# Altium PCB K60P144.PcbDoc (part 2 of 2)
Units mil, origin at the board's own origin, x right, y up, seen from the top; angles counter-clockwise.
Board outline 1850 x 1850 mil, 2 copper layers (Top Layer, Bottom Layer); 44 components, 132 nets, 360 pads, 33 vias.
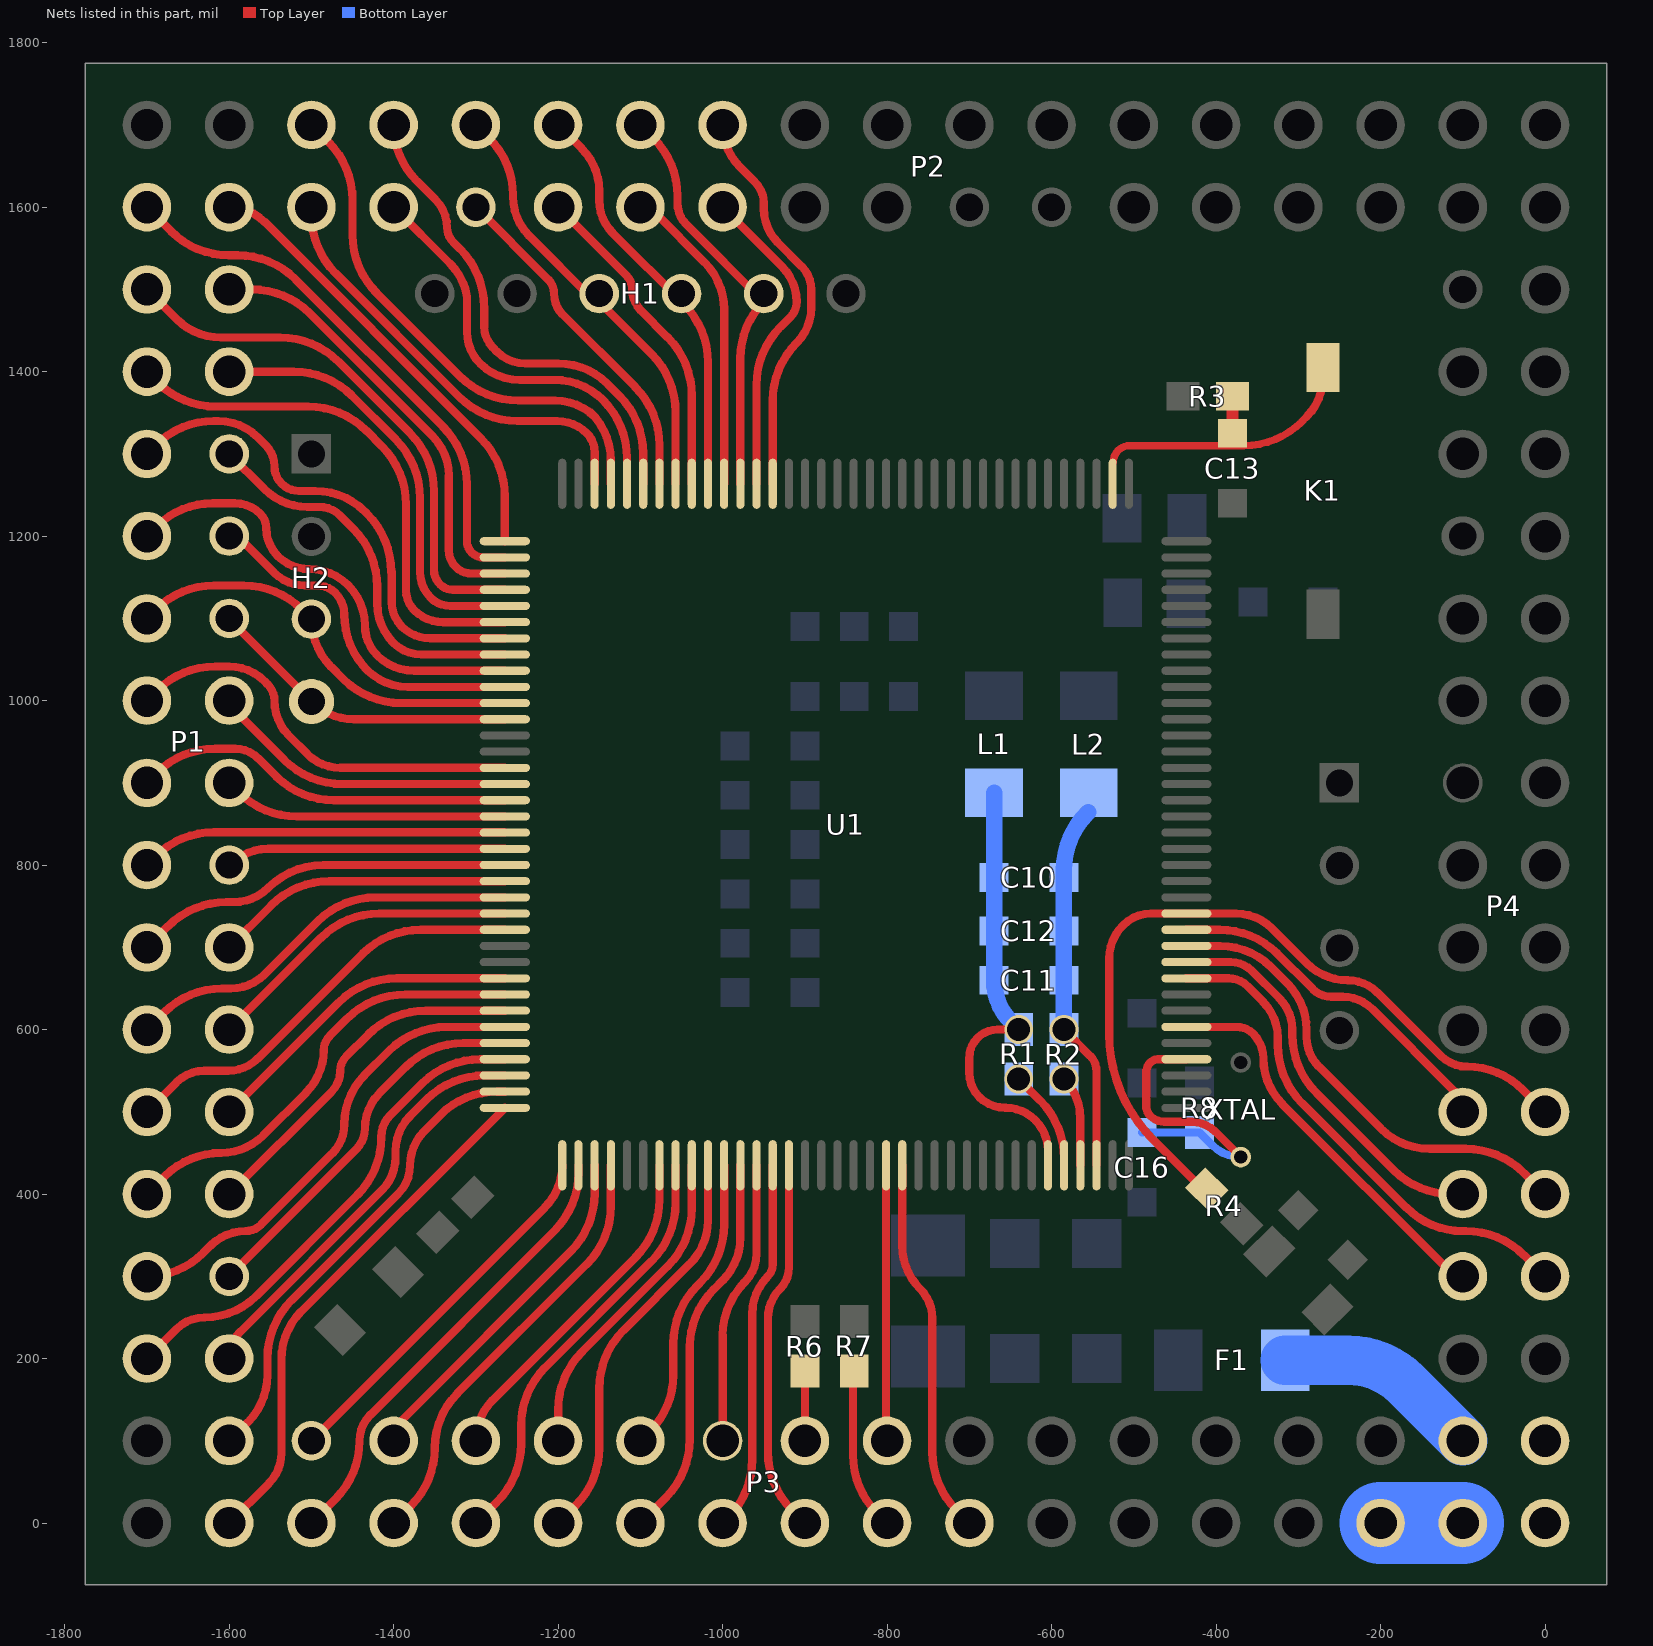
[diagram p2: the nets of this part, all layers, seen from the top]

## Via types
v1: diameter 40, hole 24, Top Layer to Bottom Layer, 15 vias
v2: diameter 50, hole 28, Top Layer to Bottom Layer, 6 vias
v3: diameter 35, hole 28, Top Layer to Bottom Layer, 5 vias
v4: diameter 40, hole 28, Top Layer to Bottom Layer, 4 vias
v5: diameter 30, hole 24, Top Layer to Bottom Layer, 2 vias
v6: diameter 35, hole 24, Top Layer to Bottom Layer, 1 vias

## Nets (pads, with @x,y where several pads share a name; then routed paths per layer and width w, separated by ;. In a path a pad name is that pad's centre, name@x,y a point inside that pad or via, vN(x,y) a via of type N, cw(c..) or ccw(c..) an arc to the next point about the centre after c; other vN are vias at no path point) (continued)
PTB16: P2.12 U1.95 | length 484.6
  Top Layer w10: P2.12@-1000,1700 ccw(c-927.57,1700) -978.79,1648.79 -960.61,1630.61 cw(c-986.21,1605) -950,1605 -950,1598.11 ccw(c-891.89,1598.11) -932.98,1557.02 -903.88,1527.92 cw(c-932.19,1499.61) -892.15,1499.61 -892.15,1478.09 cw(c-953.09,1478.09) -910,1435 ccw(c-839.76,1364.76) -939.1,1364.76 U1.95@-939.1,1263.74
PTB17: P2.11 U1.96 | length 385.7
  Top Layer w10: P2.11@-1000,1600 -927.68,1527.68 cw(c-970.36,1485) -910,1485 cw(c-936.34,1485) -917.72,1466.37 -929.49,1454.6 ccw(c-858.78,1383.89) -958.78,1383.89 U1.96@-958.78,1263.74
PTB18: H1.5 P2.10 U1.97 | length 500.1
  Top Layer w10: P2.10@-1100,1700 -1084.29,1684.29 cw(c-1155,1613.58) -1055,1613.58 -1055,1605 ccw(c-1018.79,1605) -1044.39,1579.39 -950,1485 ccw(c-881.28,1416.28) -978.47,1416.28 U1.97@-978.47,1263.74
PTB19: P2.9 U1.98 | length 399.2
  Top Layer w10: P2.9@-1092.93,1582.93 cw(c-1075.86,1600) P2.9@-1100,1600 cw(c-1100,1573.54) -1081.29,1592.25 -1022.02,1532.98 cw(c-1079.65,1475.35) -998.15,1475.35 U1.98@-998.15,1263.74
PTB20: H1.4 P2.8 U1.99 | length 501.9
  Top Layer w10: P2.8@-1200,1700 -1171.21,1671.21 cw(c-1222.43,1620) -1150,1620 -1150,1608.11 ccw(c-1094.22,1608.11) -1133.66,1568.66 -1047.12,1482.12 cw(c-1117.84,1411.41) -1017.84,1411.41 U1.99@-1017.84,1263.74
PTB21: P2.7 U1.100 | length 396.7
  Top Layer w10: P2.7@-1200,1600 -1117.07,1517.07 cw(c-1134.14,1500) -1110,1500 ccw(c-1073.79,1500) -1099.39,1474.39 -1066.81,1441.81 cw(c-1137.52,1371.1) -1037.52,1371.1 U1.100@-1037.52,1263.74
PTB22: H1.3 P2.6 U1.101 | length 527.8
  Top Layer w10: P2.6@-1300,1700 -1283.28,1683.28 cw(c-1351.57,1615) -1255,1615 -1255,1613.28 ccw(c-1186.72,1613.28) -1235,1565 -1158.54,1488.54 ccw(c-1150,1497.07) -1150,1485 -1086.49,1421.49 cw(c-1157.21,1350.78) -1057.21,1350.78 U1.101@-1057.21,1263.74
PTB23: P2.5 U1.102 | length 421.8
  Top Layer w10: P2.5@-1300,1600 -1212.07,1512.07 cw(c-1229.14,1495) -1205,1495 ccw(c-1168.79,1495) -1194.39,1469.39 -1106.18,1381.18 cw(c-1176.89,1310.47) -1076.89,1310.47 U1.102@-1076.89,1263.74
PTC0: P2.4 U1.103 | length 594.6
  Top Layer w10: P2.4@-1400,1700 ccw(c-1303.43,1700) -1371.72,1631.72 -1349.14,1609.14 cw(c-1383.29,1575) -1335,1575 ccw(c-1310.86,1575) -1327.93,1557.93 -1319.29,1549.29 cw(c-1390,1478.58) -1290,1478.58 -1290,1455 ccw(c-1253.79,1455) -1279.39,1429.39 -1274.14,1424.14 ccw(c-1240,1458.28) -1240,1410 -1199.9,1410 cw(c-1199.9,1325.1) -1139.87,1385.13 -1125.86,1371.13 cw(c-1196.58,1300.42) -1096.58,1300.42 U1.103@-1096.58,1263.74
PTC1: P2.3 U1.104 | length 499.3
  Top Layer w10: P2.3@-1400,1600 -1331.21,1531.21 cw(c-1382.43,1480) -1310.78,1490.63 -1310.78,1448.11 ccw(c-1256.9,1448.11) -1295,1410 ccw(c-1246.72,1458.28) -1246.72,1390 -1204.58,1390 cw(c-1204.58,1306.52) -1145.55,1365.55 cw(c-1216.26,1294.84) -1116.26,1294.84 U1.104@-1116.26,1263.74
PTC2: P2.2 U1.105 | length 641.9
  Top Layer w10: P2.2@-1500,1700 -1479.29,1679.29 cw(c-1550,1608.58) -1450,1608.58 -1450,1566.42 ccw(c-1350,1566.42) -1420.71,1495.71 -1319.29,1394.29 ccw(c-1248.58,1465) -1248.58,1365 -1203.99,1365 cw(c-1203.99,1296.05) -1155.23,1344.8 ; -1160,1350 cw(c-1218.07,1291.93) -1155.23,1344.8 ; U1.105@-1135.95,1263.74 -1135.95,1291.93 ccw(c-1218.07,1291.93) -1155.23,1344.8
PTC3: P2.1 U1.106 | length 531.7
  Top Layer w10: P2.1@-1500,1600 -1500,1590.46 ccw(c-1400,1590.46) -1470.71,1519.75 -1320.25,1369.29 ccw(c-1249.54,1440) -1249.54,1340 -1201.21,1340 cw(c-1201.21,1288.79) -1165,1325 cw(c-1187.62,1302.38) -1155.63,1302.38 U1.106@-1155.63,1263.74
PTC4: P1.29 U1.109 | length 552.7
  Top Layer w10: P1.29@-1600,1600 cw(c-1600,1539.65) -1557.32,1582.32 -1294.17,1319.17 cw(c-1364.88,1248.46) -1264.88,1248.46 U1.109@-1264.88,1193.86
PTC5: P1.30 U1.110 | length 666.1
  Top Layer w10: P1.30@-1700,1600 -1670.82,1570.82 ccw(c-1600.11,1641.53) -1600.11,1541.53 -1589.87,1541.53 cw(c-1589.87,1441.53) -1519.16,1512.24 -1340.22,1333.31 cw(c-1410.93,1262.6) -1310.93,1262.6 -1310.93,1194.17 ccw(c-1290.93,1194.17) -1290.93,1174.17 U1.110@-1264.88,1174.17
PTC6: P1.27 U1.111 | length 545.3
  Top Layer w10: P1.27@-1600,1500 -1572.38,1500 cw(c-1572.38,1400) -1501.67,1470.71 -1353.25,1322.29 cw(c-1402.37,1273.17) -1332.9,1273.17 -1332.9,1182.49 ccw(c-1304.9,1182.49) -1304.9,1154.49 U1.111@-1264.88,1154.49
PTC7: P1.28 U1.112 | length 658.8
  Top Layer w10: P1.28@-1700,1500 -1663.82,1463.82 ccw(c-1610,1517.64) -1610,1441.53 -1537.95,1441.53 cw(c-1537.95,1341.53) -1467.24,1412.24 -1380.29,1325.29 cw(c-1451,1254.58) -1351,1254.58 -1351,1158.96 ccw(c-1326.04,1158.96) -1343.69,1141.31 ccw(c-1327.98,1157.02) -1327.98,1134.8 U1.112@-1264.88,1134.8
PTC8: P1.25 U1.113 | length 529
  Top Layer w10: P1.25@-1600,1400 -1521.42,1400 cw(c-1521.42,1300) -1450.71,1370.71 -1397.29,1317.29 cw(c-1468,1246.58) -1368,1246.58 -1368,1156.39 ccw(c-1323.62,1156.39) -1355,1125 ccw(c-1331.14,1148.86) -1331.14,1115.12 U1.113@-1264.88,1115.12
PTC9: P1.26 U1.114 | length 638.5
  Top Layer w10: P1.26@-1700,1400 -1686.86,1386.86 ccw(c-1616.15,1457.57) -1616.15,1357.57 -1503.99,1357.57 cw(c-1503.99,1257.57) -1433.28,1328.28 -1414.29,1309.29 cw(c-1485,1238.58) -1385,1238.58 -1385,1134.14 ccw(c-1350.86,1134.14) -1375,1110 ccw(c-1339.83,1145.17) -1339.83,1095.43 U1.114@-1264.88,1095.43
PTC10: P1.24 U1.115 | length 628.8
  Top Layer w10: P1.24@-1686.29,1286.29 P1.24@-1700,1300 -1689.29,1310.71 cw(c-1618.58,1240) -1618.58,1340 -1613.28,1340 cw(c-1613.28,1271.72) -1565,1320 -1555.61,1310.61 cw(c-1581.21,1285) -1545,1285 ccw(c-1514.8,1285) -1536.15,1263.65 ccw(c-1515.28,1284.52) -1515.28,1255 -1495.36,1255 cw(c-1495.36,1169.65) -1435,1230 -1432.29,1227.29 cw(c-1503,1156.58) -1403,1156.58 ; -1402.43,1156.58 -1402.43,1120.02 ccw(c-1359.98,1120.02) -1390,1090 ccw(c-1355.59,1124.41) -1355.59,1075.75 U1.115@-1264.88,1075.75
PTC11: P1.23 U1.116 | length 474.9
  Top Layer w10: P1.23@-1600,1300 -1557.25,1257.25 ccw(c-1505,1309.5) -1505,1235.61 -1490.61,1235.61 cw(c-1490.61,1199.4) -1465,1225 -1449.29,1209.29 cw(c-1520,1138.58) -1420,1138.58 -1420,1118.28 ccw(c-1351.72,1118.28) -1400,1070 ccw(c-1366.35,1103.65) -1366.35,1056.06 U1.116@-1264.88,1056.06
PTC12: P1.22 U1.117 | length 560.6
  Top Layer w10: P1.22@-1700,1200 -1688.28,1211.72 cw(c-1620,1143.43) -1620,1240 -1593.28,1240 cw(c-1593.28,1195.86) -1562.07,1227.07 cw(c-1579.14,1210) -1555,1210 ccw(c-1506.72,1210) -1540.86,1175.86 -1540.71,1175.71 ccw(c-1502.78,1213.64) -1502.78,1160 cw(c-1502.78,1092.93) -1455.36,1140.36 cw(c-1504.5,1091.21) -1435,1091.21 ccw(c-1383.79,1091.21) -1420,1055 ccw(c-1375.04,1099.96) -1375.04,1036.38 U1.117@-1264.88,1036.38
PTC13: P1.21 U1.118 | length 429.9
  Top Layer w10: P1.21@-1600,1200 cw(c-1600,1175.12) -1582.4,1192.71 -1545,1155.31 ccw(c-1508.05,1192.26) -1508.05,1140 -1492.78,1140 cw(c-1492.78,1109.14) -1470.96,1130.96 cw(c-1497.43,1104.5) -1460,1104.5 ccw(c-1364.65,1104.5) -1432.07,1037.07 ccw(c-1382.87,1086.27) -1382.87,1016.69 U1.118@-1264.88,1016.69
PTC14: H2.3 P1.20 U1.119 | length 514.5
  Top Layer w10: P1.20@-1700,1100 -1689.29,1110.71 cw(c-1618.58,1040) -1618.58,1140 -1582.21,1140 cw(c-1582.21,1040) -1511.5,1110.71 H2.3@-1500,1099.21 ccw(c-1417.41,1099.21) -1475.81,1040.81 -1461.3,1026.3 ccw(c-1390.59,1097.01) -1390.59,997.01 U1.119@-1264.88,997.01
PTC15: H2.4 P1.19 U1.120 | length 384.7
  Top Layer w10: P1.19@-1600,1100 ccw(c-1597.15,1100) -1599.16,1097.98 H2.4@-1500,998.82 ccw(c-1448.11,1050.71) -1448.11,977.32 U1.120@-1264.88,977.32 ; H2.4@-1490,1003.82 H2.4@-1489.04,1002.86
PTC16: P1.18 U1.123 | length 511.7
  Top Layer w10: P1.18@-1700,1000 -1687.76,1012.24 cw(c-1617.05,941.53) -1617.05,1041.53 -1600,1041.53 cw(c-1600,980.93) -1557.15,1023.78 -1553.22,1019.85 cw(c-1573.07,1000) -1545,1000 ccw(c-1484.65,1000) -1527.32,957.32 -1505,935 ccw(c-1464.61,975.4) -1464.61,918.27 U1.123@-1264.88,918.27
PTC17: P1.17 U1.124 | length 375.2
  Top Layer w10: P1.17@-1600,1000 ccw(c-1587.93,1000) -1596.46,991.46 -1532.87,927.87 ccw(c-1462.16,998.58) -1462.16,898.58 U1.124@-1264.88,898.58
PTC18: P1.16 U1.125 | length 468
  Top Layer w10: P1.16@-1700,900 -1687.76,912.24 cw(c-1617.05,841.53) -1617.05,941.53 -1592.83,941.53 cw(c-1592.83,902.17) -1565,930 -1543.19,908.19 ccw(c-1472.48,978.9) -1472.48,878.9 U1.125@-1264.88,878.9
PTC19: P1.15 U1.126 | length 347.7
  Top Layer w10: P1.15@-1600,900 -1588.5,888.5 ccw(c-1517.79,959.21) -1517.79,859.21 U1.126@-1264.88,859.21
PTD0: P1.14 U1.127 | length 447.5
  Top Layer w10: P1.14@-1700,800 -1689.29,810.71 cw(c-1618.58,740) -1618.58,840 -1266.02,840 cw(c-1266.02,838.39) U1.127@-1264.88,839.53
PTD1: P1.13 U1.128 | length 340.4
  Top Layer w10: P1.13@-1600,800 cw(c-1552.1,752.1) -1552.1,819.84 U1.128@-1264.88,819.84
PTD2: P1.12 U1.129 | length 465.7
  Top Layer w10: P1.12@-1700,700 -1674.29,725.71 cw(c-1603.58,655) -1603.58,755 -1594.48,755 ccw(c-1594.48,814.48) -1552.42,772.42 cw(c-1485.46,705.46) -1485.46,800.16 U1.129@-1264.88,800.16
PTD3: P1.11 U1.130 | length 364.1
  Top Layer w10: P1.11@-1600,700 -1548.82,751.18 cw(c-1478.11,680.47) -1478.11,780.47 U1.130@-1264.88,780.47
PTD4: P1.10 U1.131 | length 490.6
  Top Layer w10: P1.10@-1700,600 -1679.29,620.71 cw(c-1608.58,550) -1608.58,650 -1598.11,650 ccw(c-1598.11,708.11) -1557.02,667.02 -1492.54,731.5 cw(c-1421.83,660.79) -1421.83,760.79 U1.131@-1264.88,760.79
PTD5: P1.9 U1.132 | length 389.3
  Top Layer w10: P1.9@-1600,600 -1488.19,711.81 cw(c-1417.48,641.1) -1417.48,741.1 U1.132@-1264.88,741.1
PTD6: P1.8 U1.133 | length 518.3
  Top Layer w10: P1.8@-1700,500 -1664.14,535.86 cw(c-1630,501.72) -1630,550 -1601.21,550 ccw(c-1601.21,601.21) -1565.01,564.99 -1437.87,692.13 cw(c-1367.16,621.42) -1367.16,721.42 U1.133@-1264.88,721.42
PTD7: P1.7 U1.136 | length 398.1
  Top Layer w10: P1.7@-1600,500 -1466.93,633.07 cw(c-1396.22,562.36) -1396.22,662.36 U1.136@-1264.88,662.36
PTD8: P1.6 U1.137 | length 543.3
  Top Layer w10: P1.6@-1700,400 -1678.28,421.72 cw(c-1610,353.43) -1610,450 ccw(c-1610,522.43) -1558.79,471.21 -1506.21,523.79 ccw(c-1557.43,575) -1485,575 cw(c-1460.86,575) -1477.93,592.07 -1456.61,613.39 cw(c-1385.9,542.68) -1385.9,642.68 U1.137@-1264.88,642.68
PTD9: P1.5 U1.138 | length 435.2
  Top Layer w10: P1.5@-1600,400 -1475.61,524.39 ccw(c-1501.21,550) -1465,550 cw(c-1440.86,550) -1457.93,567.07 -1431.3,593.7 cw(c-1360.59,522.99) -1360.59,622.99 U1.138@-1264.88,622.99
PTD10: P1.4 U1.139 | length 575.5
  Top Layer w10: P1.4@-1700,300 ccw(c-1700,396.57) -1631.72,328.28 -1622.68,337.32 cw(c-1580,294.64) -1580,355 ccw(c-1580,381.46) -1561.29,362.75 -1474.82,449.22 ccw(c-1510.6,485) -1460,485 cw(c-1375.5,485) -1435.25,544.75 -1405.98,574.02 cw(c-1335.27,503.31) -1335.27,603.31 U1.139@-1264.88,603.31
PTD11: P1.3 U1.140 | length 467.6
  Top Layer w10: P1.3@-1600,300 -1445.61,454.39 ccw(c-1471.21,480) -1435,480 cw(c-1374.65,480) -1417.32,522.68 -1385.67,554.33 cw(c-1314.96,483.62) -1314.96,583.62 U1.140@-1264.88,583.62
PTD12: P1.2 U1.141 | length 603.1
  Top Layer w10: P1.2@-1700,200 -1664.14,235.86 cw(c-1630,201.72) -1630,250 ccw(c-1630,339.13) -1566.98,276.1 -1444.29,398.79 ccw(c-1515,469.51) -1415,469.51 cw(c-1377.59,469.51) -1404.04,495.96 -1365.35,534.65 cw(c-1294.64,463.94) -1294.64,563.94 U1.141@-1264.88,563.94
PTD13: P1.1 U1.142 | length 510.3
  Top Layer w10: P1.1@-1600,200 cw(c-1554.03,200) -1586.54,232.51 -1414.35,404.7 ccw(c-1454.65,445) -1397.65,445 -1397.65,452.39 cw(c-1337.39,452.39) -1380,495 -1360.04,514.96 cw(c-1289.33,444.25) -1289.33,544.25 U1.142@-1264.88,544.25
PTD14: P3.4 U1.143 | length 576.1
  Top Layer w10: P3.4@-1600,100 -1577.24,122.77 ccw(c-1634.47,180) -1553.53,180 -1553.53,200.05 cw(c-1453.53,200.05) -1524.24,270.76 -1394.14,400.86 ccw(c-1428.28,435) -1380,435 cw(c-1321.54,435) -1362.88,476.34 -1336.88,502.33 cw(c-1274.01,424.57) -1274.01,524.57 U1.143@-1264.88,524.57
PTD15: P3.3 U1.144 | length 637.9
  Top Layer w10: P3.3@-1600,0 -1551.75,48.25 ccw(c-1588.5,85) -1536.53,85 -1536.53,198.89 cw(c-1453.6,198.89) -1512.24,257.53 U1.144@-1264.88,504.88
PTE0: P3.6 U1.1 | length 458.2
  Top Layer w10: P3.6@-1500,100 -1216.21,383.79 ccw(c-1267.43,435) U1.1@-1195,435
PTE1: P3.5 U1.2 | length 559
  Top Layer w10: P3.5@-1500,0 -1470.82,29.18 ccw(c-1541.53,99.89) -1441.53,99.89 cw(c-1396.68,99.89) -1428.39,131.61 -1204.6,355.4 ccw(c-1275.32,426.11) -1175.32,426.11 U1.2@-1175.32,435
PTE2: P3.8 U1.3 | length 430.4
  Top Layer w10: P3.8@-1400,100 cw(c-1363.79,100) -1389.39,125.61 -1184.92,330.08 ccw(c-1255.63,400.79) -1155.63,400.79 U1.3@-1155.63,435
PTE3: P3.7 U1.4 | length 531.8
  Top Layer w10: P3.7@-1400,0 -1379.29,20.71 ccw(c-1450,91.42) -1350,91.42 cw(c-1256.86,91.42) -1322.72,157.28 -1165.23,314.77 ccw(c-1235.95,385.48) -1135.95,385.48 U1.4@-1135.95,435
PTE4: P3.10 U1.7 | length 420.1
  Top Layer w10: P3.10@-1300,100 cw(c-1229.89,100) -1279.46,149.58 -1106.18,322.86 ccw(c-1176.89,393.57) -1076.89,393.57 U1.7@-1076.89,435
PTE5: P3.9 U1.8 | length 522.7
  Top Layer w10: P3.9@-1300,0 -1274.29,25.71 ccw(c-1345,96.42) -1245,96.42 -1245,118.58 cw(c-1145,118.58) -1215.71,189.29 -1086.49,318.51 ccw(c-1157.21,389.22) -1057.21,389.22 U1.8@-1057.21,435
PTE6: P3.12 U1.9 | length 393.7
  Top Layer w10: P3.12@-1200,100 -1200,137.62 cw(c-1100,137.62) -1170.71,208.33 -1066.81,312.23 ccw(c-1137.52,382.94) -1037.52,382.94 U1.9@-1037.52,435
PTE7: P3.11 U1.10 | length 498.7
  Top Layer w10: P3.11@-1200,0 -1179.29,20.71 ccw(c-1250,91.42) -1150,91.42 -1150,163.58 cw(c-1050,163.58) -1120.71,234.29 -1039.6,315.4 ccw(c-1092.14,367.94) -1017.84,367.94 U1.10@-1017.84,435
PTE8: P3.14 U1.11 | length 364.4
  Top Layer w10: P3.14@-1100,100 -1088.28,111.72 ccw(c-1156.57,180) -1060,180 -1060,218.09 cw(c-960,218.09) -1030.71,288.8 -1027.44,292.07 ccw(c-1098.15,362.78) -998.15,362.78 U1.11@-998.15,435
PTE9: P3.13 U1.12 | length 473.6
  Top Layer w10: P3.13@-1100,0 -1069.29,30.71 ccw(c-1140,101.42) -1040,101.42 -1040,213.58 cw(c-940,213.58) -1010.71,284.29 -1000,295 ccw(c-1051.99,346.99) -978.47,346.99 U1.12@-978.47,435
PTE10: P3.16 U1.13 | length 346
  Top Layer w10: P3.16@-1000,100 -1000,227.92 cw(c-907.92,227.92) -973.03,293.03 ccw(c-1007.44,327.44) -958.78,327.44 U1.13@-958.78,435
PTE11: P3.15 U1.14 | length 452.3
  Top Layer w10: P3.15@-1000,0 -993.29,6.71 ccw(c-1064,77.42) -964,77.42 -964,254.13 cw(c-899.13,254.13) -945,300 ccw(c-959.26,314.26) -939.1,314.26 U1.14@-939.1,435
PTE12: P3.17 U1.15 | length 456.2
  Top Layer w10: U1.15@-919.41,435 -919.41,310.57 cw(c-955.57,310.57) -930,285 ccw(c-893.79,248.79) -945,248.79 -945,86.42 ccw(c-845,86.42) -915.71,15.71 P3.17@-900,0
PTE24: P4.7 U1.45 | length 613.9
  Top Layer w10: U1.45@-436.14,662.36 -384.67,662.36 cw(c-384.67,630.33) -362.02,652.98 -343.18,634.14 cw(c-387.33,590) -324.9,590 -324.9,581.32 ccw(c-224.9,581.32) -295.61,510.61 -168.28,383.28 ccw(c-100,451.57) -100,355 -96.42,355 cw(c-96.42,255) -25.71,325.71 P4.7@0,300
PTE25: P4.10 U1.46 | length 481.5
  Top Layer w10: U1.46@-436.14,682.05 -382.15,682.05 cw(c-382.15,645.59) -356.37,671.37 -323.13,638.13 cw(c-361.25,600) -307.33,600 -307.33,593.75 ccw(c-207.33,593.75) -278.04,523.04 -184.29,429.29 ccw(c-113.58,500) -113.58,400 P4.10@-100,400
PTE26: P4.9 U1.47 | length 580.6
  Top Layer w10: U1.47@-436.14,701.73 -395.09,701.73 cw(c-395.09,614.27) -333.24,676.11 -313.25,656.12 cw(c-369.37,600) -290,600 -290,591.21 ccw(c-238.79,591.21) -275.01,555.01 ; -275,555 -199.75,479.75 ccw(c-140,539.5) -140,455 -96.42,455 cw(c-96.42,355) -25.71,425.71 P4.9@0,400
PTE27: P4.12 U1.48 | length 427.2
  Top Layer w10: U1.48@-436.14,721.42 -395.92,721.42 cw(c-395.92,621.42) -325.21,692.13 -284.21,651.13 -282.33,649.25 ccw(c-260,671.59) -260,640 -246.21,640 cw(c-246.21,588.79) -210.01,625.01 ; -210,625 -110.61,525.61 cw(c-136.21,500) P4.12@-100,500
PTE28: P4.11 R4.1 U1.49 | length 971.9
  Top Layer w10: R4.1@-411.21,406.21 cw(c-411.21,418.73) -420.07,409.88 -477.19,467.01 cw(c-349.7,594.5) -530,594.5 -530,685.86 cw(c-471.72,685.86) -512.93,727.07 cw(c-479.05,693.2) -479.05,741.1 U1.49@-436.14,741.1 -375.77,741.1 cw(c-375.77,679.23) -332.02,722.98 -289.58,680.54 ccw(c-240,730.11) -240,660 cw(c-240,608.65) -203.69,644.96 -126.97,568.24 ccw(c-95,600.22) -95,555 cw(c-95,458.43) -26.72,526.72 P4.11@0,500
RESET_B: C13.2 K1.2 R3.1 U1.74 | length 367
  Top Layer w9: U1.74@-525,1290 cw(c-505,1290) -505,1310 -366.42,1310 ccw(c-366.42,1410) -295.71,1339.29 -290,1345
  Top Layer w10: -290,1345 ccw(c-338.28,1393.28) -270,1393.28 K1.2@-270,1405
  Top Layer w15: C13.2@-380,1325 R3.1@-380,1370
USB0_DM: P3.19 R7.1 | length 198.3
  Top Layer w10: R7.1@-840,185 ccw(c-836.31,181.31) -841.53,181.31 -841.53,82.95 ccw(c-741.53,82.95) -812.24,12.24 P3.19@-800,0
USB0_DP: P3.18 R6.1 | length 85
  Top Layer w10: P3.18@-900,100 R6.1@-900,185
VBAT: P4.8 U1.42 | length 483.6
  Top Layer w10: U1.42@-436.14,603.31 -375.06,603.31 cw(c-375.06,574.95) -355,595 -354.82,594.82 cw(c-384.63,565) -342.47,565 ccw(c-264.3,565) -319.57,509.73 -116.8,306.96 ccw(c-100,323.76) P4.8@-100,300
VCC3.3: F1.2 P3.31 P4.1 P4.2 P4.3 P4.4 | length 352.3
  Bottom Layer w60: F1.2@-316,198 -239.42,198 cw(c-239.42,98) -168.71,168.71 P4.4@-100,100
  Bottom Layer w100: P3.31@-200,0 P4.2@-100,0
VDDA: C10.2 C11.2 C12.2 L1.2 R1.1 U1.31 | length 562.4
  Top Layer w10: v3(-640,600) -665.86,600 ccw(c-665.86,565.86) -690,590 ccw(c-665.86,565.86) -700,565.86 -700,546.57 ccw(c-660,546.57) -688.28,518.28 ccw(c-656.21,550.36) -656.21,505 cw(c-656.21,453.79) -620,490 cw(c-657.54,452.46) -604.45,452.46 U1.31@-604.45,435
  Bottom Layer w20: L1.2@-670,887.89 C10.2@-670,785 C12.2@-670,720 C11.2@-670,660 ccw(c-597.57,660) -648.79,608.79 v3(-640,600)
VOUT33: P3.20 U1.21 | length 335.3
  Top Layer w10: U1.21@-801.3,435 -801.3,103.14 ccw(c-796.86,103.14) P3.20@-800,100
VREFH: R1.2 U1.32 | length 123.6
  Top Layer w10: v3(-640,540) -614.05,514.05 cw(c-684.76,443.34) -584.76,443.34 U1.32@-584.76,435
VREFL: R2.2 U1.33 | length 110.3
  Top Layer w10: v3(-585,540) cw(c-633.09,491.91) -565.08,491.91 U1.33@-565.08,435
VREGIN: P3.21 U1.22 | length 459.1
  Top Layer w10: U1.22@-781.61,435 -781.61,337.18 ccw(c-707.82,337.18) -760,285 cw(c-796.21,248.79) -745,248.79 -745,86.42 ccw(c-645,86.42) -715.71,15.71 P3.21@-700,0
VSSA: C10.1 C11.1 C12.1 L2.2 R2.1 U1.34 | length 453.4
  Top Layer w10: v3(-585,600) -553.17,568.17 cw(c-571.96,549.39) -545.39,549.39 U1.34@-545.39,435
  Bottom Layer w10: L2.2@-555.71,864.29 L2.2@-555,865
  Bottom Layer w20: v3(-585,600) C11.1@-585,660 C12.1@-585,720 C10.1@-585,785 -585,793.58 cw(c-485,793.58) L2.2@-555.71,864.29
XTAL: C16.2 R8.1 U1.40 XTAL.1 | length 370.8
  Top Layer w10: U1.40@-436.14,563.94 -470.5,563.94 ccw(c-470.5,550.5) -480,560 ccw(c-467.93,547.93) -485,547.93 -485,507.07 ccw(c-467.93,507.07) -480,495 ccw(c-462.82,512.19) -462.82,487.88 -430,487.88 cw(c-430,446.56) -400.78,475.78 XTAL.1@-370,445
  Bottom Layer w10: C16.2@-490,475 R8.1@-420,475 -404.14,459.14 ccw(c-370,493.28) XTAL.1@-370,445

## Polygon pours and split planes (outlines as drawn)
GND on Bottom Layer "Bottom Layer-No Net" (solid, remove dead copper, pour order 2): -1775,1775 75,1775 75,-75 -1775,-75
GND on Top Layer "Bottom Layer-No Net" (solid, remove dead copper, pour order 4): -1775,1775 75,1775 75,-75 -1775,-75

## Keep-outs
Keep-Out Layer:
  the board outline again, w10

## Other copper
Top Layer:
  region net GND: -1140,965.36 -1140,1035 -1210,1035 -1210,965.36
  region net GND: -1140.36,710.36 -1140.36,779.64 -1210,779.64 -1210,710.36
  region net GND: -960,480 -960,539.6 -1100,539.6 -1100,480
  region net GND: -740,495 -740,905 -850,905 -850,495
  region net GND: 40,1460.79 40,1740 -39.21,1740 -39.21,1460.79
  region net GND: -1660,-39.21 -1660,140 -1740,140 -1740,-39.21
  region net GND: -1560.79,1660 -1560.79,1739.21 -1740,1739.21 -1740,1660
  region net GND: -847.92,1147.92 -847.92,1205 -905,1205 -905,1147.92
  rectangle net GND: -265,565.18 -216.88,610
  rectangle net GND: -289.02,1071.22 -240,1149.6
Bottom Layer:
  rectangle net GND: -600,966.47 -510,1045.53
  region net GND: -216.37,565.29 -216.37,632.45 -283.64,632.45 -283.64,565.29
  region net GND: -1274.19,366.61 -1274.19,430 -1335,430 -1335,366.61
  region net GND: -1466.37,1165.97 -1466.37,1235 -1535,1235 -1535,1165.97
  region net GND: -355.51,605.51 -355.51,655 -405,655 -405,605.51
  region net GND: -462.5,592.5 -462.5,647.5 -517.5,647.5 -517.5,592.5
  region net GND: -462.5,290 -462.5,417.5 -805,417.5 -805,290
  region net GND: -480.88,1182.47 -480.88,1261.53 -548.12,1261.53 -548.12,1182.47
  region net GND: -847.92,1147.92 -847.92,1205 -905,1205 -905,1147.92
  region net GND: -752.5,1062.5 -752.5,1117.5 -927.5,1117.5 -927.5,1062.5
  region net GND: -1140,710 -1140,1035 -1210,1035 -1210,710
  region net GND: -955,617.5 -955,972.5 -1012.5,972.5 -1012.5,617.5
  region net GND: -1045.4,480.4 -1045.4,539.6 -1105,539.6 -1105,480.4
  region net GND: -960,485 -960,539.6 -1020,539.6 -1020,485
  region net GND: -735,575 -735,775 -770,775 -770,575
  region net GND: -820,500.36 -820,905 -850,905 -850,500.36
  region net GND: -770,500.36 -770,905 -820,905 -820,500.36
  region net GND: -1560.79,1660.79 -1560.79,1740 -1739.21,1740 -1739.21,1660.79
  region net GND: -1660,-39.21 -1660,140 -1740,140 -1740,-39.21
  region net GND: 40,1460.79 40,1739.21 -39.21,1739.21 -39.21,1460.79
  region net GND: -1315,1461.37 -1315,1530 -1383.64,1530 -1383.64,1461.37
  region net GND: -1205.4,1270.4 -1205.4,1329.6 -1264.6,1329.6 -1264.6,1270.4
  region net VCC3.3: 50,-50 50,150 -150,150 -150,-50

## Silkscreen, mask and mechanical layers (free items; w line width, h text height)
Top Overlay:
  rectangle: -150,-50 50,150
  rectangle: -240,-50 -150,50
  lines w5: 44.67,145 45,145.33 ; -1750,-50 -1750,150 -1650,150 -1650,-50 -1750,-50 ; -1750,1650 -1750,1750 -1550,1750 -1550,1650 -1750,1650 ; -40,1460 -40,1740 40,1740 40,1460 -40,1460
  text "C2" at -1484,1661.33 h40 r180
  text "C0" at -1384,1661.33 h40 r180
  text "B22" at -1279,1661.33 h40 r180
  text "B20" at -1179,1661.33 h40 r180
  text "B18" at -1079,1661.33 h40 r180
  text "B16" at -979,1661.33 h40 r180
  text "B10" at -879,1661.33 h40 r180
  text "B8" at -784,1661.33 h40 r180
  text "B7" at -684,1661.33 h40 r180
  text "B5" at -589,1661.33 h40 r180
  text "B3" at -489,1661.33 h40 r180
  text "B1" at -384,1661.33 h40 r180
  text "A29" at -274,1661.33 h40 r180
  text "A27" at -179,1661.33 h40 r180
  text "A25" at -110,1645 h40 r135
  text "C5" at -1659,1586.33 h40 r225
  text "C4" at -1557.32,1582.32 h40 r225
  text "GND" at 65,1575 h40 r90
  text "C3" at -1484,1556.33 h40 r180
  text "C1" at -1384,1556.33 h40 r180
  text "B23" at -1279,1556.33 h40 r180
  text "B21" at -1179,1556.33 h40 r180
  text "B19" at -1079,1556.33 h40 r180
  text "B17" at -979,1556.33 h40 r180
  text "B11" at -879,1556.33 h40 r180
  text "B8" at -784,1556.33 h40 r180
  text "B6" at -684,1556.33 h40 r180
  text "B4" at -589,1556.33 h40 r180
  text "B2" at -489,1556.33 h40 r180
  text "B0" at -384,1556.33 h40 r180
  text "A28" at -279,1556.33 h40 r180
  text "A26" at -179,1556.33 h40 r180
  text "A24" at -105,1545 h40 r135
  text "C7" at -1659,1516.33 h40 r270
  text "C6" at -1559,1516.33 h40 r270
  text "A19" at -139,1476.33 h40 r90
  text "GND" at -1314,1421.33 h40 r180
  text "VCC" at -1219,1421.33 h40 r180
  text "C9" at -1659,1416.33 h40 r270
  text "C8" at -1559,1416.33 h40 r270
  text "A16" at -139,1376.33 h40 r90
  text "A17" at -40,1375 h40 r90
  text "VCC" at -1430,1330 h40 r270
  text "C10" at -1659,1321.33 h40 r270
  text "C11" at -1559,1321.33 h40 r270
  text "A14" at -139,1276.33 h40 r90
  text "A15" at -40,1275 h40 r90
  text "GND" at -1430,1230 h40 r270
  text "C12" at -1659,1221.33 h40 r270
  text "C13" at -1559,1221.33 h40 r270
  text "A12" at -140,1180 h40 r90
  text "A13" at -40,1175 h40 r90
  text "C14" at -1659,1121.33 h40 r270
  text "C15" at -1559,1121.33 h40 r270
  text "RX" at -1435,1115 h40 r270
  text "A10" at -140,1080 h40 r90
  text "A11" at -40,1075 h40 r90
  text "C17" at -1559,1023.78 h40 r270
  text "C16" at -1659,1021.33 h40 r270
  text "TX" at -1435,1020 h40 r270
  text "A8" at -140,985 h40 r90
  text "A9" at -40,985 h40 r90
  text "C18" at -1659,921.33 h40 r270
  text "C19" at -1559,921.33 h40 r270
  text "A6" at -140,885 h40 r90
  text "A7" at -40,885 h40 r90
  text "VCC" at -305,875 h40 r90
  text "D1" at -1659,816.33 h40 r270
  text "D1" at -1559,811.33 h40 r270
  text "A4" at -140,785 h40 r90
  text "A5" at -40,785 h40 r90
  text "DIO" at -305,780 h40 r90
  text "D2" at -1659,716.33 h40 r270
  text "D3" at -1559,716.33 h40 r270
  text "A2" at -140,685 h40 r90
  text "A3" at -40,685 h40 r90
  text "CLK" at -308.08,675 h40 r90
  text "D4" at -1659,616.33 h40 r270
  text "D5" at -1559,616.33 h40 r270
  text "A0" at -140,585 h40 r90
  text "A1" at -40,585 h40 r90
  text "GND" at -310,575 h40 r90
  text "D6" at -1659,511.33 h40 r270
  text "D7" at -1559,511.33 h40 r270
  text "E27" at -140,480 h40 r90
  text "E28" at -40,475 h40 r90
  text "D8" at -1659,416.33 h40 r270
  text "D9" at -1559,416.33 h40 r270
  text "E25" at -140,380 h40 r90
  text "E26" at -40,380 h40 r90
  text "D10" at -1659,321.33 h40 r270
  text "D11" at -1559,321.33 h40 r270
  text "E24" at -40,275 h40 r90
  text "VBAT" at -140,265 h40 r90
  text "E28" at -320,260 h40 r135
  text "D12" at -1659,221.33 h40 r270
  text "D13" at -1559,221.33 h40 r270
  text "DA0" at -140,175 h40 r90
  text "DA1" at -40,175 h40 r90
  text "U-DP" at -925,165 h40 r90
  text "D14" at -1590,150 h40 r315
  text "E0" at -1515,140 h40
  text "E2" at -1415,140 h40
  text "E4" at -1310,140 h40
  text "E6" at -1215,140 h40
  text "E8" at -1120,140 h40
  text "E10" at -1030,140 h40
  text "V33" at -835,140 h40
  text "A0P1" at -740,140 h40
  text "A1P1" at -645,140 h40
  text "PA0-P" at -555,140 h40
  text "PA1-P" at -450,140 h40
  text "A1S16" at -350,140 h40
  text "A0S16" at -245,140 h40
  text "D15" at -1595,50 h40 r315
  text "E1" at -1515,40 h40
  text "E3" at -1415,40 h40
  text "E5" at -1315,40 h40
  text "E7" at -1215,40 h40
  text "E9" at -1115,40 h40
  text "E11" at -1030,40 h40
  text "E12" at -930,40 h40
  text "U-DM" at -845,40 h40
  text "VREG" at -745,40 h40
  text "A0M1" at -630,40 h40
  text "A1M1" at -535,40 h40
  text "PA0-M" at -450,40 h40
  text "PA1-M" at -350,40 h40